# KiCad board data-center-rdimm-ddr5-tester.kicad_pcb (continued)
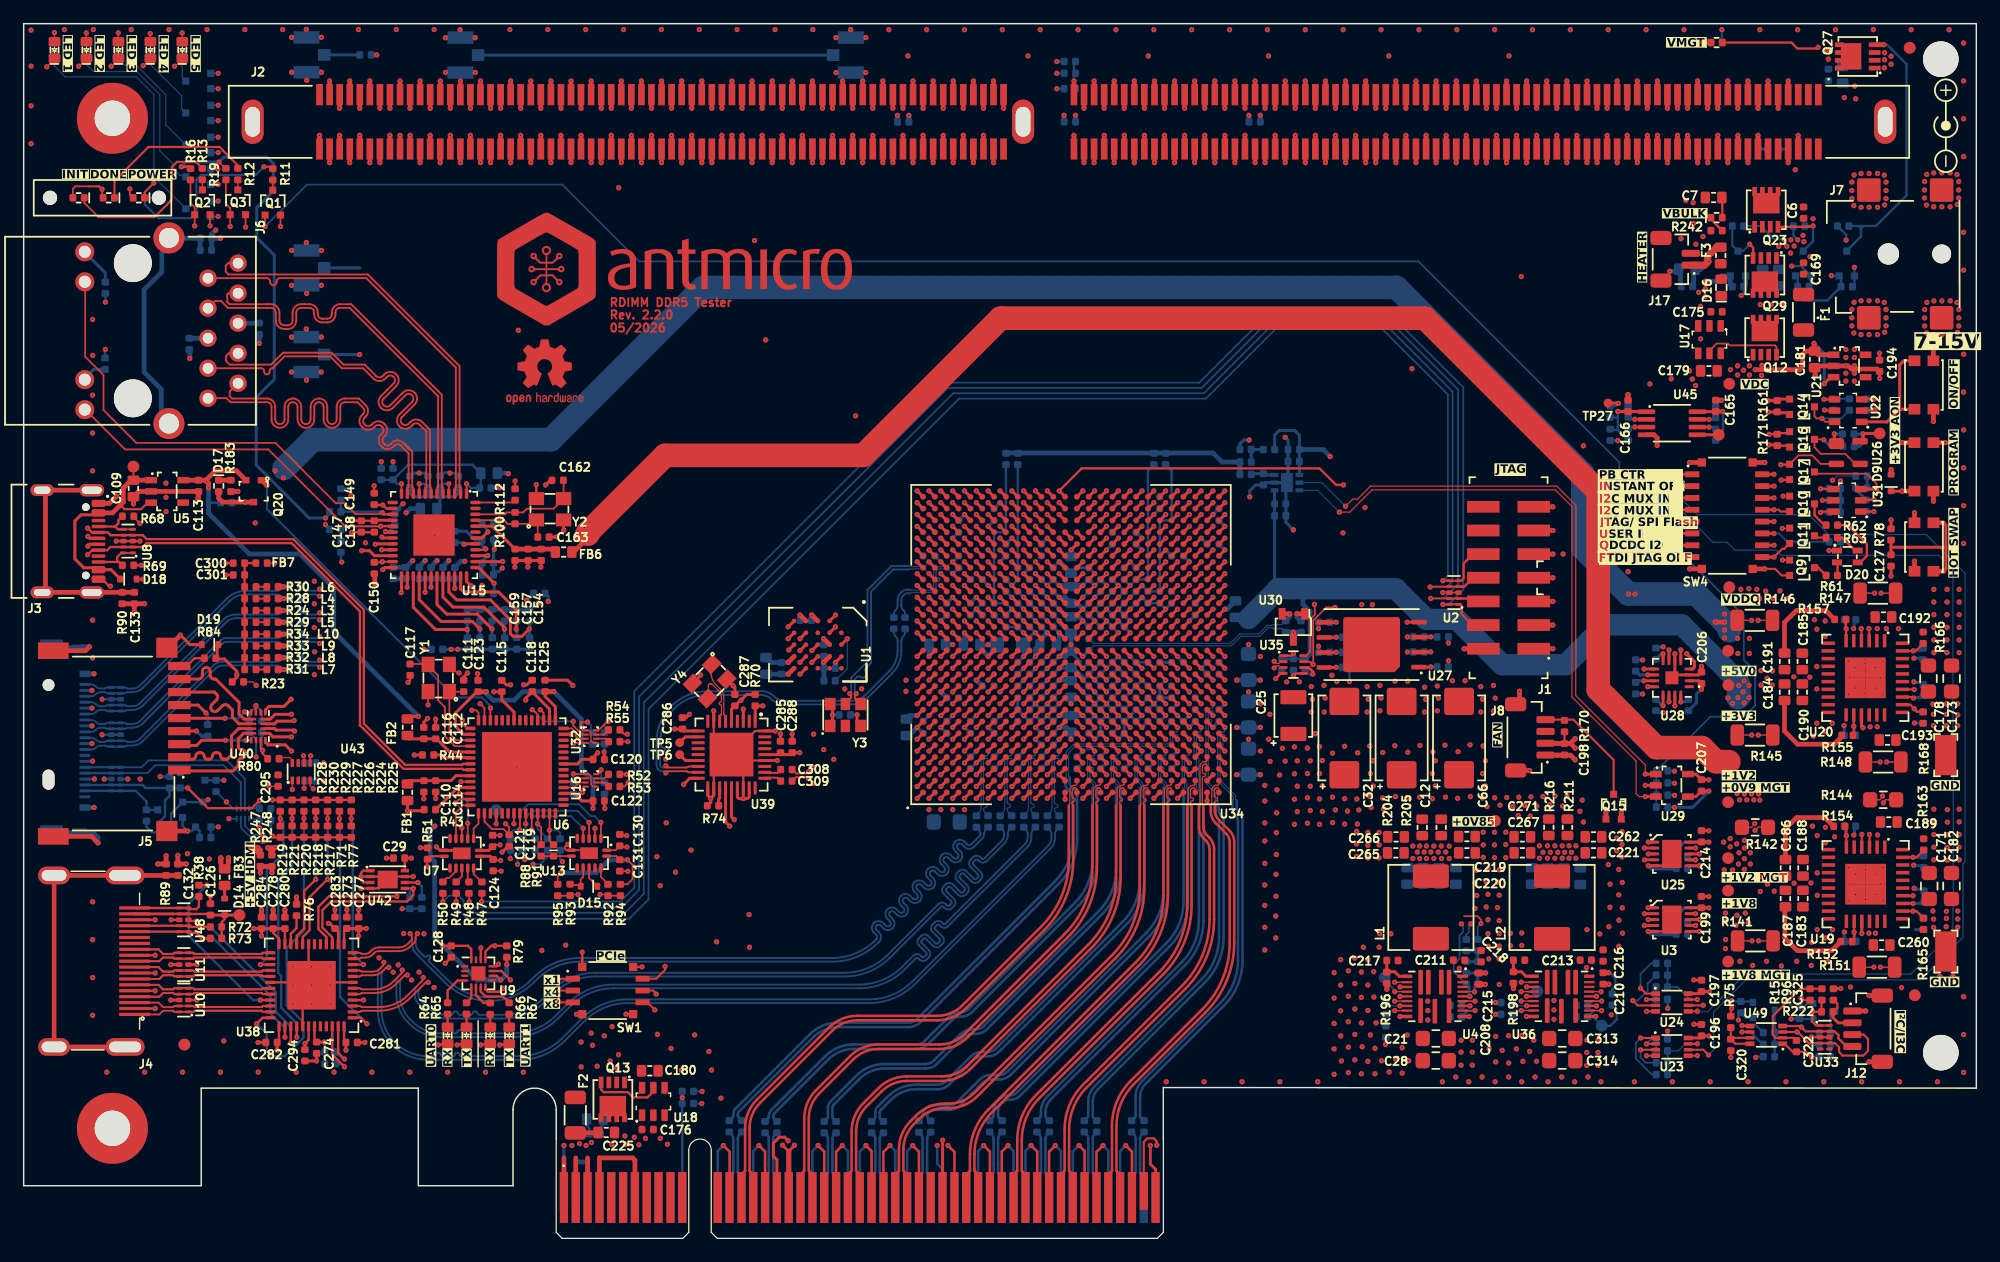
[diagram p0: board, top side]
## Routing (per net, layer and track width the routed paths; a pad name or vN(x,y) marks a point on that pad's centre or on a via; arc(x,y) is an arc through that point) (continued)
  Bottom w0.22: C250.1 86.65,9.95 86.4,10.2 arc(86.35,10.27) 86.34,10.35 86.34,10.67 arc(86.45,11.25) 86.78,11.73 98.11,23.07 arc(99.28,24.82) 99.69,26.87 99.69,36.25
/FPGA MGT Interface/GTY_224_TX2_P: length 39.9
  Top w0.256: U34.AD7 v1(99.5,43.2)
  Bottom w0.1: v1(99.5,43.2) 99.5,42.94 arc(99.49,42.9) 99.47,42.87 99.42,42.82 arc(99.4,42.8) 99.38,42.8 99.24,42.8 arc(99.16,42.79) 99.1,42.74 98.96,42.6 arc(98.91,42.54) 98.9,42.46 98.9,40.82 arc(98.93,40.67) 99.02,40.54 99.04,40.52 arc(99.08,40.45) 99.1,40.38 99.1,38.18 arc(99.12,38.07) 99.19,37.97 99.37,37.79 arc(99.39,37.76) 99.4,37.72 99.4,36.38 arc(99.39,36.35) 99.37,36.31 99.31,36.25
  Bottom w0.22: 99.31,36.25 99.31,26.87 arc(98.93,24.96) 97.85,23.34 86.51,12 arc(86.1,11.39) 85.96,10.67 85.96,10.37 arc(85.94,10.29) 85.9,10.23 C255.2
/FPGA MGT Interface/GTY_224_TX3_N: length 39.4
  Top w0.256: v1(98.5,40.2) U34.AC4
  Bottom w0.1: v1(98.5,40.2) 98.5,40.4 arc(98.48,40.49) 98.43,40.57 arc(98.4,40.59) 98.36,40.6 98.28,40.6 arc(98.24,40.59) 98.21,40.57 98.13,40.49 arc(98.11,40.46) 98.1,40.42 98.1,39.95 arc(98.14,39.86) 98.22,39.82 arc(98.31,39.79) 98.35,39.7 arc(98.31,39.61) 98.22,39.57 arc(98.14,39.54) 98.1,39.45 98.1,38.78 arc(98.11,38.75) 98.13,38.71 98.21,38.63 arc(98.28,38.53) 98.3,38.42 98.3,38.13 arc(98.31,38.09) 98.33,38.06 98.39,38
  Bottom w0.22: 98.39,38 98.39,28.47 arc(97.98,26.42) 96.81,24.67 84.2,12.06 arc(83.82,11.8) 83.36,11.71 83.26,11.71 arc(82.95,11.65) 82.69,11.48 82.57,11.35 arc(82.4,11.09) 82.34,10.79 82.34,10.35 arc(82.35,10.27) 82.4,10.2 82.65,9.95 C257.2
/FPGA MGT Interface/GTY_224_TX3_P: length 39.4
  Top w0.256: U34.AC5 v1(98.5,41.2)
  Bottom w0.1: v1(98.5,41.2) 98.5,40.94 arc(98.49,40.9) 98.47,40.87 98.43,40.83 arc(98.4,40.81) 98.36,40.8 98.24,40.8 arc(98.16,40.79) 98.1,40.74 97.96,40.6 arc(97.91,40.54) 97.9,40.46 97.9,38.78 arc(97.92,38.67) 97.99,38.57 98.07,38.49 arc(98.09,38.46) 98.1,38.42 98.1,38.13 arc(98.09,38.09) 98.07,38.06 98.01,38
  Bottom w0.22: 98.01,38 98.01,28.47 arc(97.63,26.56) 96.55,24.94 83.93,12.32 arc(83.67,12.15) 83.36,12.09 83.26,12.09 arc(82.81,12) 82.43,11.74 82.3,11.62 arc(82.05,11.24) 81.96,10.79 81.96,10.37 arc(81.94,10.29) 81.9,10.23 C256.2
/FPGA MGT Interface/GTY_225_TX0_N: length 42.9
  Top w0.256: v1(96.5,40.2) U34.AA4
  Bottom w0.1: v1(96.5,40.2) 96.5,40.46 arc(96.49,40.5) 96.47,40.53 96.43,40.57 arc(96.4,40.59) 96.36,40.6 96.28,40.6 arc(96.24,40.59) 96.21,40.57 96.13,40.49 arc(96.11,40.46) 96.1,40.42 96.1,39.96 arc(96.14,39.87) 96.22,39.83 96.25,39.83 arc(96.34,39.8) 96.38,39.71 arc(96.34,39.62) 96.25,39.58 96.22,39.58 arc(96.14,39.55) 96.1,39.46 96.1,38.98 arc(96.11,38.94) 96.13,38.91 96.51,38.53 arc(96.58,38.43) 96.6,38.32 96.6,38.23 arc(96.61,38.19) 96.63,38.16 96.69,38.1
  Bottom w0.22: 96.69,38.1 96.69,29.35 arc(96.28,27.29) 95.11,25.55 83.41,13.84 arc(82.96,13.54) 82.43,13.44 81.74,13.44 arc(81.36,13.36) 81.04,13.14 79.16,11.26 arc(78.71,10.97) 78.18,10.86 76.8,10.86 arc(76.69,10.84) 76.59,10.77 76.43,10.61 arc(76.36,10.51) 76.34,10.4 76.34,10.33 arc(76.36,10.25) 76.4,10.19 76.65,9.93
/FPGA MGT Interface/GTY_225_TX0_P: length 42.9
  Top w0.256: U34.AA5 v1(96.5,41.2)
  Bottom w0.1: 96.31,38.1 96.37,38.16 arc(96.39,38.19) 96.4,38.23 96.4,38.32 arc(96.39,38.36) 96.37,38.39 95.99,38.77 arc(95.92,38.87) 95.9,38.98 95.9,40.46 arc(95.92,40.54) 95.96,40.6 96.1,40.74 arc(96.16,40.78) 96.24,40.8 96.36,40.8 arc(96.4,40.81) 96.43,40.83 96.47,40.87 arc(96.49,40.9) 96.5,40.94 v1(96.5,41.2)
  Bottom w0.22: 96.31,38.1 96.31,29.35 arc(95.93,27.44) 94.85,25.81 83.14,14.11 arc(82.81,13.89) 82.43,13.81 81.74,13.81 arc(81.21,13.71) 80.77,13.41 78.89,11.53 arc(78.56,11.32) 78.18,11.24 76.8,11.24 arc(76.54,11.19) 76.32,11.04 76.16,10.88 arc(76.01,10.66) 75.96,10.4 75.96,10.33 arc(75.94,10.25) 75.9,10.19 75.65,9.93
/FPGA MGT Interface/GTY_225_TX1_N: length 44.4
  Top w0.256: v1(94.5,40.2) U34.W4
  Bottom w0.1: v1(94.5,40.2) 94.5,40.46 arc(94.49,40.5) 94.47,40.53 94.43,40.57 arc(94.4,40.59) 94.36,40.6 94.28,40.6 arc(94.24,40.59) 94.21,40.57 94.13,40.49 arc(94.11,40.46) 94.1,40.42 94.1,39.94 arc(94.14,39.85) 94.22,39.81 arc(94.31,39.78) 94.35,39.69 arc(94.31,39.6) 94.22,39.56 arc(94.14,39.53) 94.1,39.44 94.1,38.98 arc(94.11,38.94) 94.13,38.91 94.51,38.53 arc(94.58,38.43) 94.6,38.32 94.6,38.23 arc(94.61,38.19) 94.63,38.16 94.69,38.1
  Bottom w0.22: 72.65,9.88 72.62,9.88 72.4,10.1 arc(72.36,10.17) 72.34,10.24 72.34,10.65 arc(72.36,10.76) 72.43,10.86 73.3,11.73 arc(74.27,12.38) 75.42,12.61 77.23,12.61 arc(77.76,12.72) 78.21,13.01 80.29,15.09 arc(80.61,15.31) 80.99,15.38 81.46,15.38 arc(81.99,15.49) 82.43,15.79 93.11,26.47 arc(94.28,28.22) 94.69,30.27 94.69,38.1
/FPGA MGT Interface/GTY_225_TX1_P: length 44.4
  Top w0.256: U34.W5 v1(94.5,41.2)
  Bottom w0.1: v1(94.5,41.2) 94.5,40.94 arc(94.49,40.9) 94.47,40.87 94.43,40.83 arc(94.4,40.81) 94.36,40.8 94.24,40.8 arc(94.16,40.78) 94.1,40.74 93.96,40.6 arc(93.92,40.54) 93.9,40.46 93.9,38.98 arc(93.92,38.87) 93.99,38.77 94.37,38.39 arc(94.39,38.36) 94.4,38.32 94.4,38.23 arc(94.39,38.19) 94.37,38.16 94.31,38.1
  Bottom w0.22: 71.65,9.88 71.9,10.14 arc(71.94,10.2) 71.96,10.28 71.96,10.65 arc(72.01,10.91) 72.16,11.13 73.03,12 arc(74.13,12.73) 75.42,12.99 77.23,12.99 arc(77.61,13.07) 77.94,13.28 80.02,15.36 arc(80.46,15.66) 80.99,15.76 81.46,15.76 arc(81.84,15.84) 82.16,16.06 92.85,26.74 arc(93.93,28.36) 94.31,30.27 94.31,38.1
/FPGA MGT Interface/GTY_225_TX2_N: length 46.1
  Top w0.256: v1(92.5,40.2) U34.U4
  Bottom w0.1: 92.69,38.1 92.63,38.16 arc(92.61,38.19) 92.6,38.23 92.6,38.32 arc(92.58,38.43) 92.51,38.53 92.13,38.91 arc(92.11,38.94) 92.1,38.98 92.1,39.41 arc(92.14,39.51) 92.24,39.55 arc(92.34,39.59) 92.38,39.69 92.38,39.71 arc(92.34,39.81) 92.24,39.85 arc(92.14,39.89) 92.1,39.99 92.1,40.42 arc(92.11,40.46) 92.13,40.49 92.21,40.57 arc(92.24,40.59) 92.28,40.6 92.36,40.6 arc(92.4,40.59) 92.43,40.57 92.49,40.51 arc(92.5,40.5) 92.5,40.49 v1(92.5,40.2)
  Bottom w0.22: 68.65,9.88 68.4,10.14 arc(68.36,10.2) 68.34,10.28 68.34,11.07 arc(68.36,11.19) 68.43,11.28 70.62,13.48 arc(71.6,14.13) 72.75,14.36 76.21,14.36 arc(76.74,14.47) 77.18,14.76 79.41,16.99 arc(79.74,17.21) 80.12,17.28 80.43,17.28 arc(80.96,17.39) 81.41,17.69 91.11,27.4 arc(92.28,29.14) 92.69,31.2 92.69,38.1
/FPGA MGT Interface/GTY_225_TX2_P: length 46.1
  Top w0.256: v1(92.5,41.2) U34.U5
  Bottom w0.1: v1(92.5,41.2) 92.5,41 arc(92.48,40.91) 92.43,40.83 arc(92.4,40.81) 92.36,40.8 92.24,40.8 arc(92.16,40.78) 92.1,40.74 91.96,40.6 arc(91.92,40.54) 91.9,40.46 91.9,38.98 arc(91.92,38.87) 91.99,38.77 92.37,38.39 arc(92.39,38.36) 92.4,38.32 92.4,38.23 arc(92.39,38.19) 92.37,38.16 92.31,38.1
  Bottom w0.22: 92.31,38.1 92.31,31.2 arc(91.93,29.29) 90.85,27.66 81.14,17.96 arc(80.81,17.74) 80.43,17.66 80.12,17.66 arc(79.59,17.56) 79.14,17.26 76.91,15.03 arc(76.59,14.82) 76.21,14.74 72.75,14.74 arc(71.45,14.48) 70.36,13.75 68.16,11.55 arc(68.01,11.33) 67.96,11.07 67.96,10.28 arc(67.94,10.2) 67.9,10.14 67.65,9.88
/FPGA MGT Interface/GTY_225_TX3_N: length 48.3
  Top w0.256: U34.R4 v1(90.5,40.2)
  Bottom w0.1: 90.69,38.1 90.63,38.16 arc(90.61,38.19) 90.6,38.23 90.6,38.32 arc(90.58,38.43) 90.51,38.53 90.13,38.91 arc(90.11,38.94) 90.1,38.98 90.1,39.39 arc(90.14,39.49) 90.24,39.53 arc(90.34,39.57) 90.38,39.67 90.38,39.69 arc(90.34,39.79) 90.24,39.83 arc(90.14,39.87) 90.1,39.97 90.1,40.44 arc(90.11,40.46) 90.13,40.49 90.21,40.57 arc(90.24,40.59) 90.28,40.6 90.36,40.6 arc(90.4,40.59) 90.43,40.57 90.47,40.53 arc(90.49,40.5) 90.5,40.46 v1(90.5,40.2)
  Bottom w0.22: 90.69,38.1 90.69,31.92 arc(90.28,29.87) 89.11,28.12 80.13,19.14 arc(79.69,18.84) 79.16,18.73 79.14,18.73 arc(78.76,18.66) 78.44,18.44 76.41,16.41 arc(75.96,16.12) 75.43,16.01 70.12,16.01 arc(68.97,15.78) 68,15.13 63.43,10.56 arc(63.36,10.46) 63.34,10.35 63.34,10.28 arc(63.36,10.2) 63.4,10.14 63.65,9.88
/FPGA MGT Interface/GTY_225_TX3_P: length 48.3
  Top w0.256: v1(90.5,41.2) U34.R5
  Bottom w0.1: 90.31,38.1 90.37,38.16 arc(90.39,38.19) 90.4,38.23 90.4,38.32 arc(90.39,38.36) 90.37,38.39 89.99,38.77 arc(89.92,38.87) 89.9,38.98 89.9,40.46 arc(89.92,40.54) 89.96,40.6 90.1,40.74 arc(90.16,40.78) 90.24,40.8 90.36,40.8 arc(90.4,40.81) 90.43,40.83 90.47,40.87 arc(90.49,40.9) 90.5,40.94 v1(90.5,41.2)
  Bottom w0.22: 90.31,38.1 90.31,31.92 arc(89.93,30.01) 88.85,28.39 79.86,19.41 arc(79.54,19.19) 79.16,19.11 79.14,19.11 arc(78.61,19.01) 78.17,18.71 76.14,16.68 arc(75.81,16.47) 75.43,16.39 70.12,16.39 arc(68.82,16.13) 67.73,15.4 63.16,10.83 arc(63.01,10.61) 62.96,10.35 62.96,10.28 arc(62.94,10.2) 62.9,10.14 62.65,9.88
/FPGA MGT Interface/HDMI_CTL.SCL: length 89.8
  Top w0.201: v1(31.54,28.92) 25.8,28.92 24.91,28.03 24.91,26.15 25.58,25.48 U38.16 ; U42.6 v1(33.32,30.09)
  Top w0.256: U34.C14 v1(77.5,51.2) ; U39.22 59.31,35.2 v1(59.66,34.85)
  In2.Cu w0.1: v1(31.54,28.92) 31.54,29.19 32.44,30.09 v1(33.32,30.09) 33.32,27.68 36.2,24.8 36.2,23.9 40.5,19.6 42.65,19.6 44.8,21.75 47.05,21.75 59.66,34.36 v1(59.66,34.85) 59.28,35.23 59.28,44.99 60.17,45.88 67.77,45.88 72.59,50.7 77,50.7 v1(77.5,51.2)
  Bottom w0.201: R239.1 33.64,29.76 v1(33.32,30.09)
/FPGA MGT Interface/HDMI_CTL.SDA: length 88.4
  Top w0.201: U38.15 26.08,25.45 25.25,26.28 25.25,27.75 25.98,28.48 32.4,28.48 32.93,29.01 v1(32.93,29.59) U42.5
  Top w0.256: v1(60.05,35.4) 59.81,35.64 U39.23 ; U34.D14 v1(78.5,51.2)
  In2.Cu w0.1: v1(78.5,51.2) 78.15,51.2 77.3,50.35 72.72,50.35 67.97,45.6 61.67,45.6 61.2,45.13 60.36,45.13 59.81,44.58 59.81,35.64 v1(60.05,35.4) 60.03,35.38 60.03,33.98 47.45,21.4 44.95,21.4 42.85,19.3 40.3,19.3 35.05,24.55 35.05,25.55 32.93,27.67 v1(32.93,29.59)
  Bottom w0.201: v1(32.93,29.59) 32.63,29.29 R234.1
/FPGA MGT Interface/HDMI_FPGA.RX0_N: length 78.3
  Top w0.256: v1(86.5,37.2) U34.M1
  In4.Cu w0.1: v1(86.5,37.2) 86.5,37.49 arc(86.49,37.52) 86.48,37.55 arc(86.45,37.57) 86.41,37.58 86.4,37.58 arc(86.35,37.57) 86.31,37.54 86.24,37.46 arc(86.15,37.34) 86.12,37.19 86.12,36.5 arc(85.97,35.71) 85.52,35.05 83.51,33.03 arc(81.74,31.85) 79.66,31.44 72.57,31.44 arc(71.43,31.66) 70.47,32.3 70.38,32.39 arc(69.51,32.97) 68.49,33.17 65.1,33.17 arc(63.02,33.59) 61.25,34.77 50.26,45.77 arc(50.13,46.08) 50.26,46.39 50.35,46.48 arc(50.4,46.62) 50.35,46.75 50.3,46.8 arc(50.16,46.85) 50.03,46.8 49.4,46.17 arc(49.09,46.04) 48.77,46.17 48.73,46.21 arc(48.6,46.53) 48.73,46.84 49.36,47.47 arc(49.41,47.61) 49.36,47.74 49.3,47.8 arc(49.16,47.86) 49.03,47.8 48.94,47.71 arc(48.62,47.58) 48.31,47.71 46.97,49.05 arc(45.28,50.18) 43.3,50.57 27.6,50.57 arc(27.56,50.57) 27.52,50.54 27.5,50.52 arc(27.44,50.48) 27.36,50.46 25.43,50.46 arc(25.2,50.42) v1(25.01,50.29)
  Bottom w0.16: C306.2 23.6,50.26 arc(23.79,50.39) 24.02,50.43 24.66,50.43 arc(24.85,50.4) v1(25.01,50.29)
/FPGA MGT Interface/HDMI_FPGA.RX0_P: length 78.3
  Top w0.256: v1(86.5,38.2) U34.M2
  In4.Cu w0.1: v1(86.5,38.2) 86.5,37.89 arc(86.49,37.87) 86.48,37.85 arc(86.45,37.83) 86.41,37.83 86.35,37.83 arc(86.25,37.81) 86.17,37.75 86.06,37.64 arc(85.92,37.44) 85.88,37.19 85.88,36.51 arc(85.74,35.81) 85.34,35.21 83.34,33.21 arc(81.64,32.08) 79.65,31.69 72.57,31.69 arc(71.53,31.89) 70.64,32.48 70.57,32.55 arc(69.61,33.2) 68.47,33.42 65.11,33.42 arc(63.12,33.82) 61.43,34.95 50.43,45.94 arc(50.38,46.08) 50.43,46.21 50.52,46.3 arc(50.65,46.62) 50.52,46.93 50.48,46.97 arc(50.16,47.1) 49.85,46.97 49.22,46.35 arc(49.09,46.29) 48.95,46.35 48.91,46.39 arc(48.85,46.53) 48.91,46.67 49.53,47.29 arc(49.66,47.61) 49.53,47.92 49.47,47.98 arc(49.16,48.11) 48.85,47.98 48.76,47.89 arc(48.62,47.83) 48.49,47.89 47.15,49.23 arc(45.38,50.41) 43.3,50.82 27.53,50.82 arc(27.45,50.81) 27.39,50.77 27.35,50.73 arc(27.34,50.72) 27.32,50.71 25.43,50.71 arc(25.2,50.76) v1(25.01,50.89)
  Bottom w0.16: C307.2 23.6,50.92 arc(23.79,50.79) 24.02,50.75 24.66,50.75 arc(24.85,50.78) v1(25.01,50.89)
/FPGA MGT Interface/HDMI_FPGA.RX1_N: length 78
  Top w0.256: v1(84.5,37.2) U34.K1
  In4.Cu w0.1: v1(84.5,37.2) 84.5,37.49 arc(84.49,37.52) 84.48,37.55 arc(84.45,37.57) 84.41,37.57 84.4,37.57 arc(84.35,37.57) 84.31,37.54 84.24,37.46 arc(84.15,37.34) 84.12,37.19 84.12,36.5 arc(83.97,35.71) 83.52,35.05 82.8,34.32 arc(81.33,33.34) 79.6,32.99 73.42,32.99 arc(72.23,33.23) 71.21,33.91 71.13,33.99 arc(70.21,34.61) 69.12,34.82 66.3,34.82 arc(64.22,35.24) 62.45,36.42 61.73,37.15 arc(61.6,37.46) 61.73,37.77 61.82,37.86 arc(61.87,37.99) 61.82,38.13 61.77,38.18 arc(61.63,38.23) 61.5,38.18 61.41,38.09 arc(61.1,37.96) 60.79,38.09 60.74,38.14 arc(60.61,38.45) 60.74,38.76 60.83,38.85 arc(60.88,38.98) 60.83,39.12 60.78,39.17 arc(60.64,39.22) 60.51,39.17 60.42,39.08 arc(60.11,38.95) 59.8,39.08 59.75,39.13 arc(59.62,39.44) 59.75,39.75 59.84,39.84 arc(59.89,39.97) 59.84,40.11 59.79,40.16 arc(59.65,40.21) 59.52,40.16 59.43,40.07 arc(59.12,39.94) 58.81,40.07 58.76,40.12 arc(58.63,40.43) 58.76,40.74 58.85,40.83 arc(58.9,40.96) 58.85,41.1 58.8,41.15 arc(58.66,41.2) 58.53,41.15 58.44,41.06 arc(58.13,40.93) 57.82,41.06 57.77,41.11 arc(57.64,41.42) 57.77,41.73 57.86,41.82 arc(57.91,41.95) 57.86,42.09 57.81,42.14 arc(57.67,42.19) 57.54,42.14 57.45,42.05 arc(57.14,41.92) 56.83,42.05 56.78,42.1 arc(56.65,42.41) 56.78,42.72 56.87,42.81 arc(56.92,42.94) 56.87,43.08 56.82,43.13 arc(56.68,43.18) 56.55,43.13 56.46,43.04 arc(56.15,42.91) 55.84,43.04 48.31,50.56 arc(46.64,51.68) 44.66,52.07 27.72,52.07 arc(27.47,52.13) 27.25,52.27 27.17,52.35 arc(27.05,52.44) 26.9,52.46 25.43,52.46 arc(25.2,52.42) v1(25.01,52.29)
  Bottom w0.16: C304.2 23.6,52.26 arc(23.79,52.39) 24.02,52.43 24.66,52.43 arc(24.85,52.4) v1(25.01,52.29)
/FPGA MGT Interface/HDMI_FPGA.RX1_P: length 78
  Top w0.256: v1(84.5,38.2) U34.K2
  In4.Cu w0.1: v1(84.5,38.2) 84.5,37.91 arc(84.49,37.88) 84.48,37.85 arc(84.45,37.83) 84.41,37.82 84.35,37.82 arc(84.25,37.81) 84.17,37.75 84.06,37.64 arc(83.92,37.44) 83.88,37.19 83.88,36.5 arc(83.74,35.81) 83.35,35.22 82.62,34.5 arc(81.23,33.57) 79.6,33.24 73.43,33.24 arc(72.32,33.46) 71.39,34.09 71.32,34.16 arc(70.3,34.84) 69.11,35.07 66.31,35.07 arc(64.32,35.47) 62.63,36.6 61.9,37.32 arc(61.85,37.46) 61.9,37.59 61.99,37.68 arc(62.12,37.99) 61.99,38.3 61.94,38.35 arc(61.63,38.48) 61.32,38.35 61.23,38.26 arc(61.1,38.21) 60.96,38.26 60.91,38.31 arc(60.86,38.45) 60.91,38.58 61,38.67 arc(61.13,38.98) 61,39.29 60.95,39.34 arc(60.64,39.47) 60.33,39.34 60.24,39.25 arc(60.11,39.2) 59.97,39.25 59.92,39.3 arc(59.87,39.44) 59.92,39.57 60.01,39.66 arc(60.14,39.97) 60.01,40.28 59.96,40.33 arc(59.65,40.46) 59.34,40.33 59.25,40.24 arc(59.12,40.19) 58.98,40.24 58.93,40.29 arc(58.88,40.43) 58.93,40.56 59.02,40.65 arc(59.15,40.96) 59.02,41.27 58.97,41.32 arc(58.66,41.45) 58.35,41.32 58.26,41.23 arc(58.13,41.18) 57.99,41.23 57.94,41.28 arc(57.89,41.42) 57.94,41.55 58.03,41.64 arc(58.16,41.95) 58.03,42.26 57.98,42.31 arc(57.67,42.44) 57.36,42.31 57.27,42.22 arc(57.14,42.17) 57,42.22 56.95,42.27 arc(56.9,42.41) 56.95,42.54 57.04,42.63 arc(57.17,42.94) 57.04,43.25 56.99,43.3 arc(56.68,43.43) 56.37,43.3 56.28,43.21 arc(56.15,43.16) 56.01,43.21 48.5,50.73 arc(46.73,51.91) 44.65,52.32 27.73,52.32 arc(27.57,52.36) 27.43,52.45 27.36,52.52 arc(27.14,52.66) 26.89,52.71 25.43,52.71 arc(25.2,52.76) v1(25.01,52.89)
  Bottom w0.16: C305.2 23.6,52.92 arc(23.79,52.79) 24.02,52.75 24.66,52.75 arc(24.85,52.78) v1(25.01,52.89)
/FPGA MGT Interface/HDMI_FPGA.RX2_N: length 76.7
  Top w0.256: v1(82.5,37.2) U34.H1
  In4.Cu w0.1: v1(82.5,37.2) 82.5,37.49 arc(82.49,37.52) 82.48,37.55 arc(82.45,37.57) 82.41,37.57 82.4,37.57 arc(82.35,37.57) 82.31,37.54 82.24,37.46 arc(82.15,37.34) 82.12,37.19 82.12,36.75 arc(82.01,36.19) 81.7,35.72 81.27,35.29 arc(80.32,34.66) 79.2,34.44 74.86,34.44 arc(73.59,34.69) 72.52,35.41 72.44,35.48 arc(71.45,36.14) 70.28,36.38 67.65,36.38 arc(65.57,36.79) 63.8,37.97 57.16,44.61 arc(56.99,45.02) 57.16,45.42 57.3,45.57 arc(57.4,45.79) 57.3,46.02 arc(57.07,46.12) 56.84,46.02 56.7,45.88 arc(56.3,45.72) 55.89,45.88 arc(55.72,46.29) 55.89,46.7 56.03,46.84 arc(56.12,47.07) 56.03,47.3 arc(55.8,47.39) 55.57,47.3 55.43,47.16 arc(55.02,46.99) 54.62,47.16 arc(54.45,47.56) 54.62,47.97 54.76,48.11 arc(54.85,48.34) 54.76,48.57 arc(54.53,48.67) 54.3,48.57 54.16,48.43 arc(53.75,48.26) 53.34,48.43 arc(53.17,48.84) 53.34,49.24 53.48,49.38 arc(53.58,49.61) 53.48,49.84 arc(53.25,49.94) 53.02,49.84 52.88,49.7 arc(52.48,49.53) 52.07,49.7 arc(51.9,50.11) 52.07,50.52 52.21,50.66 arc(52.31,50.89) 52.21,51.12 arc(51.98,51.21) 51.75,51.12 51.61,50.98 arc(51.2,50.81) 50.8,50.98 50.21,51.56 arc(48.54,52.68) 46.56,53.07 27.52,53.07 arc(26.99,53.18) 26.54,53.48 25.64,54.38 arc(25.55,54.44) 25.44,54.46 25.43,54.46 arc(25.2,54.42) v1(25.01,54.29)
  Bottom w0.16: C302.2 23.6,54.26 arc(23.79,54.39) 24.02,54.43 24.66,54.43 arc(24.85,54.4) v1(25.01,54.29)
/FPGA MGT Interface/HDMI_FPGA.RX2_P: length 76.7
  Top w0.256: v1(82.5,38.2) U34.H2
  In4.Cu w0.1: v1(25.01,54.89) 25.02,54.88 arc(25.2,54.76) 25.42,54.71 arc(25.64,54.67) 25.83,54.55 26.72,53.66 arc(27.09,53.41) 27.52,53.32 46.55,53.32 arc(48.63,52.91) 50.4,51.73 50.97,51.15 arc(51.2,51.06) 51.43,51.15 51.57,51.29 arc(51.98,51.46) 52.39,51.29 arc(52.56,50.89) 52.39,50.48 52.25,50.34 arc(52.15,50.11) 52.25,49.88 arc(52.48,49.78) 52.71,49.88 52.85,50.02 arc(53.25,50.19) 53.66,50.02 arc(53.83,49.61) 53.66,49.21 53.52,49.07 arc(53.42,48.84) 53.52,48.61 arc(53.75,48.51) 53.98,48.61 54.12,48.75 arc(54.53,48.92) 54.93,48.75 arc(55.1,48.34) 54.93,47.93 54.79,47.79 arc(54.7,47.56) 54.79,47.33 arc(55.02,47.24) 55.25,47.33 55.39,47.47 arc(55.8,47.64) 56.21,47.47 arc(56.37,47.07) 56.21,46.66 56.07,46.52 arc(55.97,46.29) 56.07,46.06 arc(56.3,45.97) 56.53,46.06 56.67,46.2 arc(57.07,46.37) 57.48,46.2 arc(57.65,45.79) 57.48,45.39 57.34,45.25 arc(57.24,45.02) 57.34,44.79 63.98,38.15 arc(65.67,37.02) 67.66,36.62 70.28,36.62 arc(71.55,36.37) 72.62,35.66 72.69,35.58 arc(73.69,34.92) 74.86,34.69 79.2,34.69 arc(80.22,34.89) 81.09,35.47 81.53,35.91 arc(81.79,36.29) 81.88,36.74 81.88,37.19 arc(81.92,37.44) 82.06,37.64 82.17,37.75 arc(82.25,37.81) 82.35,37.82 82.41,37.82 arc(82.45,37.83) 82.48,37.85 arc(82.49,37.87) 82.5,37.89 v1(82.5,38.2)
  Bottom w0.16: C303.2 23.6,54.92 arc(23.79,54.79) 24.02,54.75 24.66,54.75 arc(24.85,54.78) v1(25.01,54.89)
/FPGA MGT Interface/HDMI_FPGA.TX0_N: length 6.7
  Top w0.256: v1(87.5,40.2) U34.N4
  Bottom w0.1: v1(87.5,40.2) 87.5,40.42 arc(87.49,40.49) 87.45,40.54 arc(87.4,40.58) 87.33,40.59 87.32,40.59 arc(87.25,40.58) 87.19,40.53 87.17,40.52 arc(87.12,40.44) 87.1,40.35 87.1,36.86 arc(87.14,36.75) 87.24,36.71 arc(87.34,36.67) 87.38,36.57 87.38,36.56 arc(87.34,36.45) 87.24,36.41 arc(87.14,36.37) 87.1,36.27 arc(87.12,36.16) 87.19,36.06 87.48,35.76 arc(87.49,35.75) 87.49,35.74 C276.2
/FPGA MGT Interface/HDMI_FPGA.TX0_P: length 6.7
  Top w0.256: v1(87.5,41.2) U34.N5
  Bottom w0.1: v1(87.5,41.2) 87.5,40.96 arc(87.49,40.9) 87.45,40.84 arc(87.4,40.8) 87.33,40.79 87.28,40.79 arc(87.17,40.77) 87.07,40.71 87.03,40.66 arc(86.93,40.52) 86.9,40.35 86.9,36.42 arc(86.85,36.17) 86.71,35.95 86.52,35.76 arc(86.51,35.75) 86.51,35.74 C275.2
/FPGA MGT Interface/HDMI_FPGA.TX1_N: length 6.7
  Top w0.256: v1(85.5,40.2) U34.L4
  Bottom w0.1: v1(85.5,40.2) 85.5,40.42 arc(85.49,40.48) 85.45,40.54 arc(85.39,40.58) 85.33,40.59 85.32,40.59 arc(85.25,40.58) 85.19,40.53 85.17,40.52 arc(85.12,40.44) 85.1,40.35 85.1,36.85 arc(85.14,36.75) 85.24,36.71 arc(85.34,36.67) 85.38,36.57 85.38,36.55 arc(85.34,36.45) 85.24,36.41 arc(85.14,36.37) 85.1,36.27 arc(85.12,36.15) 85.19,36.06 85.48,35.76 arc(85.49,35.75) 85.49,35.74 C290.2
/FPGA MGT Interface/HDMI_FPGA.TX1_P: length 6.7
  Top w0.256: v1(85.5,41.2) U34.L5
  Bottom w0.1: C279.2 84.51,35.74 arc(84.51,35.75) 84.52,35.76 84.71,35.95 arc(84.85,36.17) 84.9,36.42 84.9,40.35 arc(84.93,40.52) 85.03,40.66 85.07,40.7 arc(85.17,40.77) 85.28,40.79 85.33,40.79 arc(85.39,40.8) 85.45,40.84 arc(85.49,40.9) 85.5,40.96 v1(85.5,41.2)
/FPGA MGT Interface/HDMI_FPGA.TX2_N: length 6.7
  Top w0.256: v1(83.5,40.2) U34.J4
  Bottom w0.1: v1(83.5,40.2) 83.5,40.42 arc(83.49,40.49) 83.45,40.54 arc(83.4,40.58) 83.33,40.59 83.32,40.59 arc(83.25,40.58) 83.19,40.53 83.17,40.52 arc(83.12,40.44) 83.1,40.35 83.1,36.86 arc(83.14,36.75) 83.24,36.71 arc(83.34,36.67) 83.38,36.57 83.38,36.56 arc(83.34,36.45) 83.24,36.41 arc(83.14,36.37) 83.1,36.27 arc(83.12,36.16) 83.19,36.06 83.48,35.76 arc(83.49,35.75) 83.49,35.74 C293.2
/FPGA MGT Interface/HDMI_FPGA.TX2_P: length 6.7
  Top w0.256: v1(83.5,41.2) U34.J5
  Bottom w0.1: v1(83.5,41.2) 83.5,40.96 arc(83.49,40.9) 83.45,40.84 arc(83.4,40.8) 83.33,40.79 83.28,40.79 arc(83.17,40.77) 83.07,40.71 83.03,40.66 arc(82.93,40.52) 82.9,40.35 82.9,36.42 arc(82.85,36.17) 82.71,35.95 82.52,35.76 arc(82.51,35.75) 82.51,35.74 C292.2
/FPGA MGT Interface/HDMI_FPGA.TX_CLK_N: length 6.7
  Top w0.256: v1(81.5,40.2) U34.G4
  Bottom w0.1: C245.2 81.49,35.74 arc(81.49,35.75) 81.48,35.76 81.19,36.06 arc(81.12,36.16) 81.1,36.27 arc(81.14,36.37) 81.24,36.41 arc(81.34,36.45) 81.38,36.56 81.38,36.57 arc(81.34,36.67) 81.24,36.71 arc(81.14,36.75) 81.1,36.86 81.1,40.35 arc(81.12,40.44) 81.17,40.52 81.19,40.53 arc(81.25,40.58) 81.32,40.59 81.33,40.59 arc(81.4,40.58) 81.45,40.54 arc(81.49,40.49) 81.5,40.42 v1(81.5,40.2)
/FPGA MGT Interface/HDMI_FPGA.TX_CLK_P: length 6.7
  Top w0.256: v1(81.5,41.2) U34.G5
  Bottom w0.1: C244.2 80.51,35.74 arc(80.51,35.75) 80.52,35.76 80.71,35.95 arc(80.85,36.17) 80.9,36.42 80.9,40.35 arc(80.93,40.52) 81.03,40.66 81.07,40.71 arc(81.17,40.77) 81.28,40.79 81.33,40.79 arc(81.4,40.8) 81.45,40.84 arc(81.49,40.9) 81.5,40.96 v1(81.5,41.2)
/FPGA MGT Interface/HDMI_IN.CLK_N: length 20.7
  Top w0.4: v1(21.97,48.09) 21.5,48.09
  Bottom w0.16: 5.17,41.32 5.69,41.32 arc(5.91,41.37) 6.1,41.49 arc(6.29,41.62) 6.52,41.67 6.84,41.67 arc(6.9,41.65) 6.96,41.62 arc(7.01,41.58) 7.07,41.57 8.53,41.57 arc(8.6,41.58) 8.65,41.62 arc(8.7,41.65) 8.76,41.67 9.2,41.67 arc(9.66,41.76) 10.05,42.02 16.22,48.19 arc(16.49,48.37) 16.81,48.43 21.39,48.43 arc(21.61,48.39) 21.8,48.26 v1(21.97,48.09) C291.2
/FPGA MGT Interface/HDMI_IN.CLK_P: length 20.7
  Top w0.4: v1(21.97,49.09) 21.5,49.09
  Bottom w0.16: J11.11 5.69,42.32 arc(5.91,42.28) 6.1,42.15 arc(6.29,42.02) 6.52,41.98 6.84,41.98 arc(6.9,41.99) 6.96,42.02 arc(7.01,42.06) 7.07,42.07 8.53,42.07 arc(8.6,42.06) 8.65,42.02 arc(8.7,41.99) 8.76,41.98 9.2,41.98 arc(9.54,42.04) 9.82,42.23 16,48.41 arc(16.37,48.66) 16.81,48.75 21.39,48.75 arc(21.61,48.79) 21.8,48.92 v1(21.97,49.09) C289.2
/FPGA MGT Interface/HDMI_IN.D0_N: length 21
  Top w0.4: 21.5,50.09 v1(21.97,50.09)
  Bottom w0.16: C306.1 v1(21.97,50.09) 21.8,50.26 arc(21.61,50.39) 21.39,50.43 17.07,50.43 arc(16.96,50.41) 16.87,50.35 10.05,43.53 arc(9.66,43.27) 9.2,43.17 8.76,43.17 arc(8.7,43.16) 8.65,43.13 arc(8.6,43.09) 8.53,43.08 7.07,43.08 arc(7.01,43.09) 6.96,43.13 arc(6.9,43.16) 6.84,43.17 6.52,43.17 arc(6.29,43.13) 6.1,43 arc(5.91,42.87) 5.69,42.83 5.17,42.83
/FPGA MGT Interface/HDMI_IN.D0_P: length 21
  Top w0.4: 21.5,51.09 v1(21.97,51.09)
  Bottom w0.16: C307.1 v1(21.97,51.09) 21.8,50.92 arc(21.61,50.79) 21.39,50.75 17.07,50.75 arc(16.85,50.7) 16.65,50.57 9.82,43.74 arc(9.54,43.55) 9.2,43.48 8.76,43.48 arc(8.7,43.5) 8.65,43.53 arc(8.6,43.57) 8.53,43.58 7.07,43.58 arc(7.01,43.57) 6.96,43.53 arc(6.9,43.5) 6.84,43.48 6.52,43.48 arc(6.29,43.53) 6.1,43.66 arc(5.91,43.79) 5.69,43.83 J11.14
/FPGA MGT Interface/HDMI_IN.D1_N: length 21.1
  Top w0.4: 21.5,52.09 v1(21.97,52.09)
  Bottom w0.16: C304.1 v1(21.97,52.09) 21.8,52.26 arc(21.61,52.39) 21.39,52.43 17.92,52.43 arc(17.49,52.35) 17.12,52.1 10.05,45.03 arc(9.66,44.77) 9.2,44.67 8.76,44.67 arc(8.7,44.66) 8.65,44.63 arc(8.6,44.59) 8.53,44.58 7.07,44.58 arc(7.01,44.59) 6.96,44.63 arc(6.9,44.66) 6.84,44.67 6.52,44.67 arc(6.29,44.63) 6.1,44.5 arc(5.91,44.37) 5.69,44.33 J11.15
/FPGA MGT Interface/HDMI_IN.D1_P: length 21.1
  Top w0.4: 21.5,53.09 v1(21.97,53.09)
  Bottom w0.16: U37.4 8.19,45.08 arc(8.19,45.08) 8.19,45.08 ; C305.1 v1(21.97,53.09) 21.8,52.92 arc(21.61,52.79) 21.39,52.75 17.92,52.75 arc(17.37,52.64) 16.9,52.32 9.82,45.24 arc(9.54,45.05) 9.2,44.98 8.76,44.98 arc(8.7,45) 8.65,45.03 arc(8.6,45.07) 8.53,45.08 7.07,45.08 arc(7.01,45.07) 6.96,45.03 arc(6.9,45) 6.84,44.98 6.52,44.98 arc(6.29,45.03) 6.1,45.16 arc(5.91,45.29) 5.69,45.33 J11.17
/FPGA MGT Interface/HDMI_IN.D2_N: length 21.3
  Top w0.4: 21.5,54.09 v1(21.97,54.09)
  Bottom w0.16: C302.1 v1(21.97,54.09) 21.8,54.26 arc(21.61,54.39) 21.39,54.43 18.76,54.43 arc(18.02,54.29) 17.39,53.87 10.05,46.53 arc(9.66,46.27) 9.2,46.18 8.76,46.18 arc(8.7,46.16) 8.65,46.13 arc(8.6,46.09) 8.53,46.08 7.07,46.08 arc(7.01,46.09) 6.96,46.13 arc(6.9,46.16) 6.84,46.18 6.52,46.18 arc(6.29,46.13) 6.1,46 arc(5.91,45.88) 5.69,45.83 5.17,45.83
/FPGA MGT Interface/HDMI_IN.D2_P: length 21.3
  Top w0.4: 21.5,55.09 v1(21.97,55.09)
  Bottom w0.16: C303.1 v1(21.97,55.09) 21.8,54.92 arc(21.61,54.79) 21.39,54.75 18.78,54.75 arc(17.9,54.57) 17.15,54.07 9.82,46.74 arc(9.54,46.55) 9.2,46.49 8.76,46.49 arc(8.7,46.5) 8.65,46.53 arc(8.6,46.57) 8.53,46.58 7.07,46.58 arc(7.01,46.57) 6.96,46.53 arc(6.9,46.5) 6.84,46.49 6.52,46.49 arc(6.29,46.53) 6.1,46.66 arc(5.91,46.79) 5.69,46.83 5.17,46.83
